# Altium PCB 6502_CPU_MainBoard_PCB_V1_2.PcbDoc (part 1 of 5) (continued)
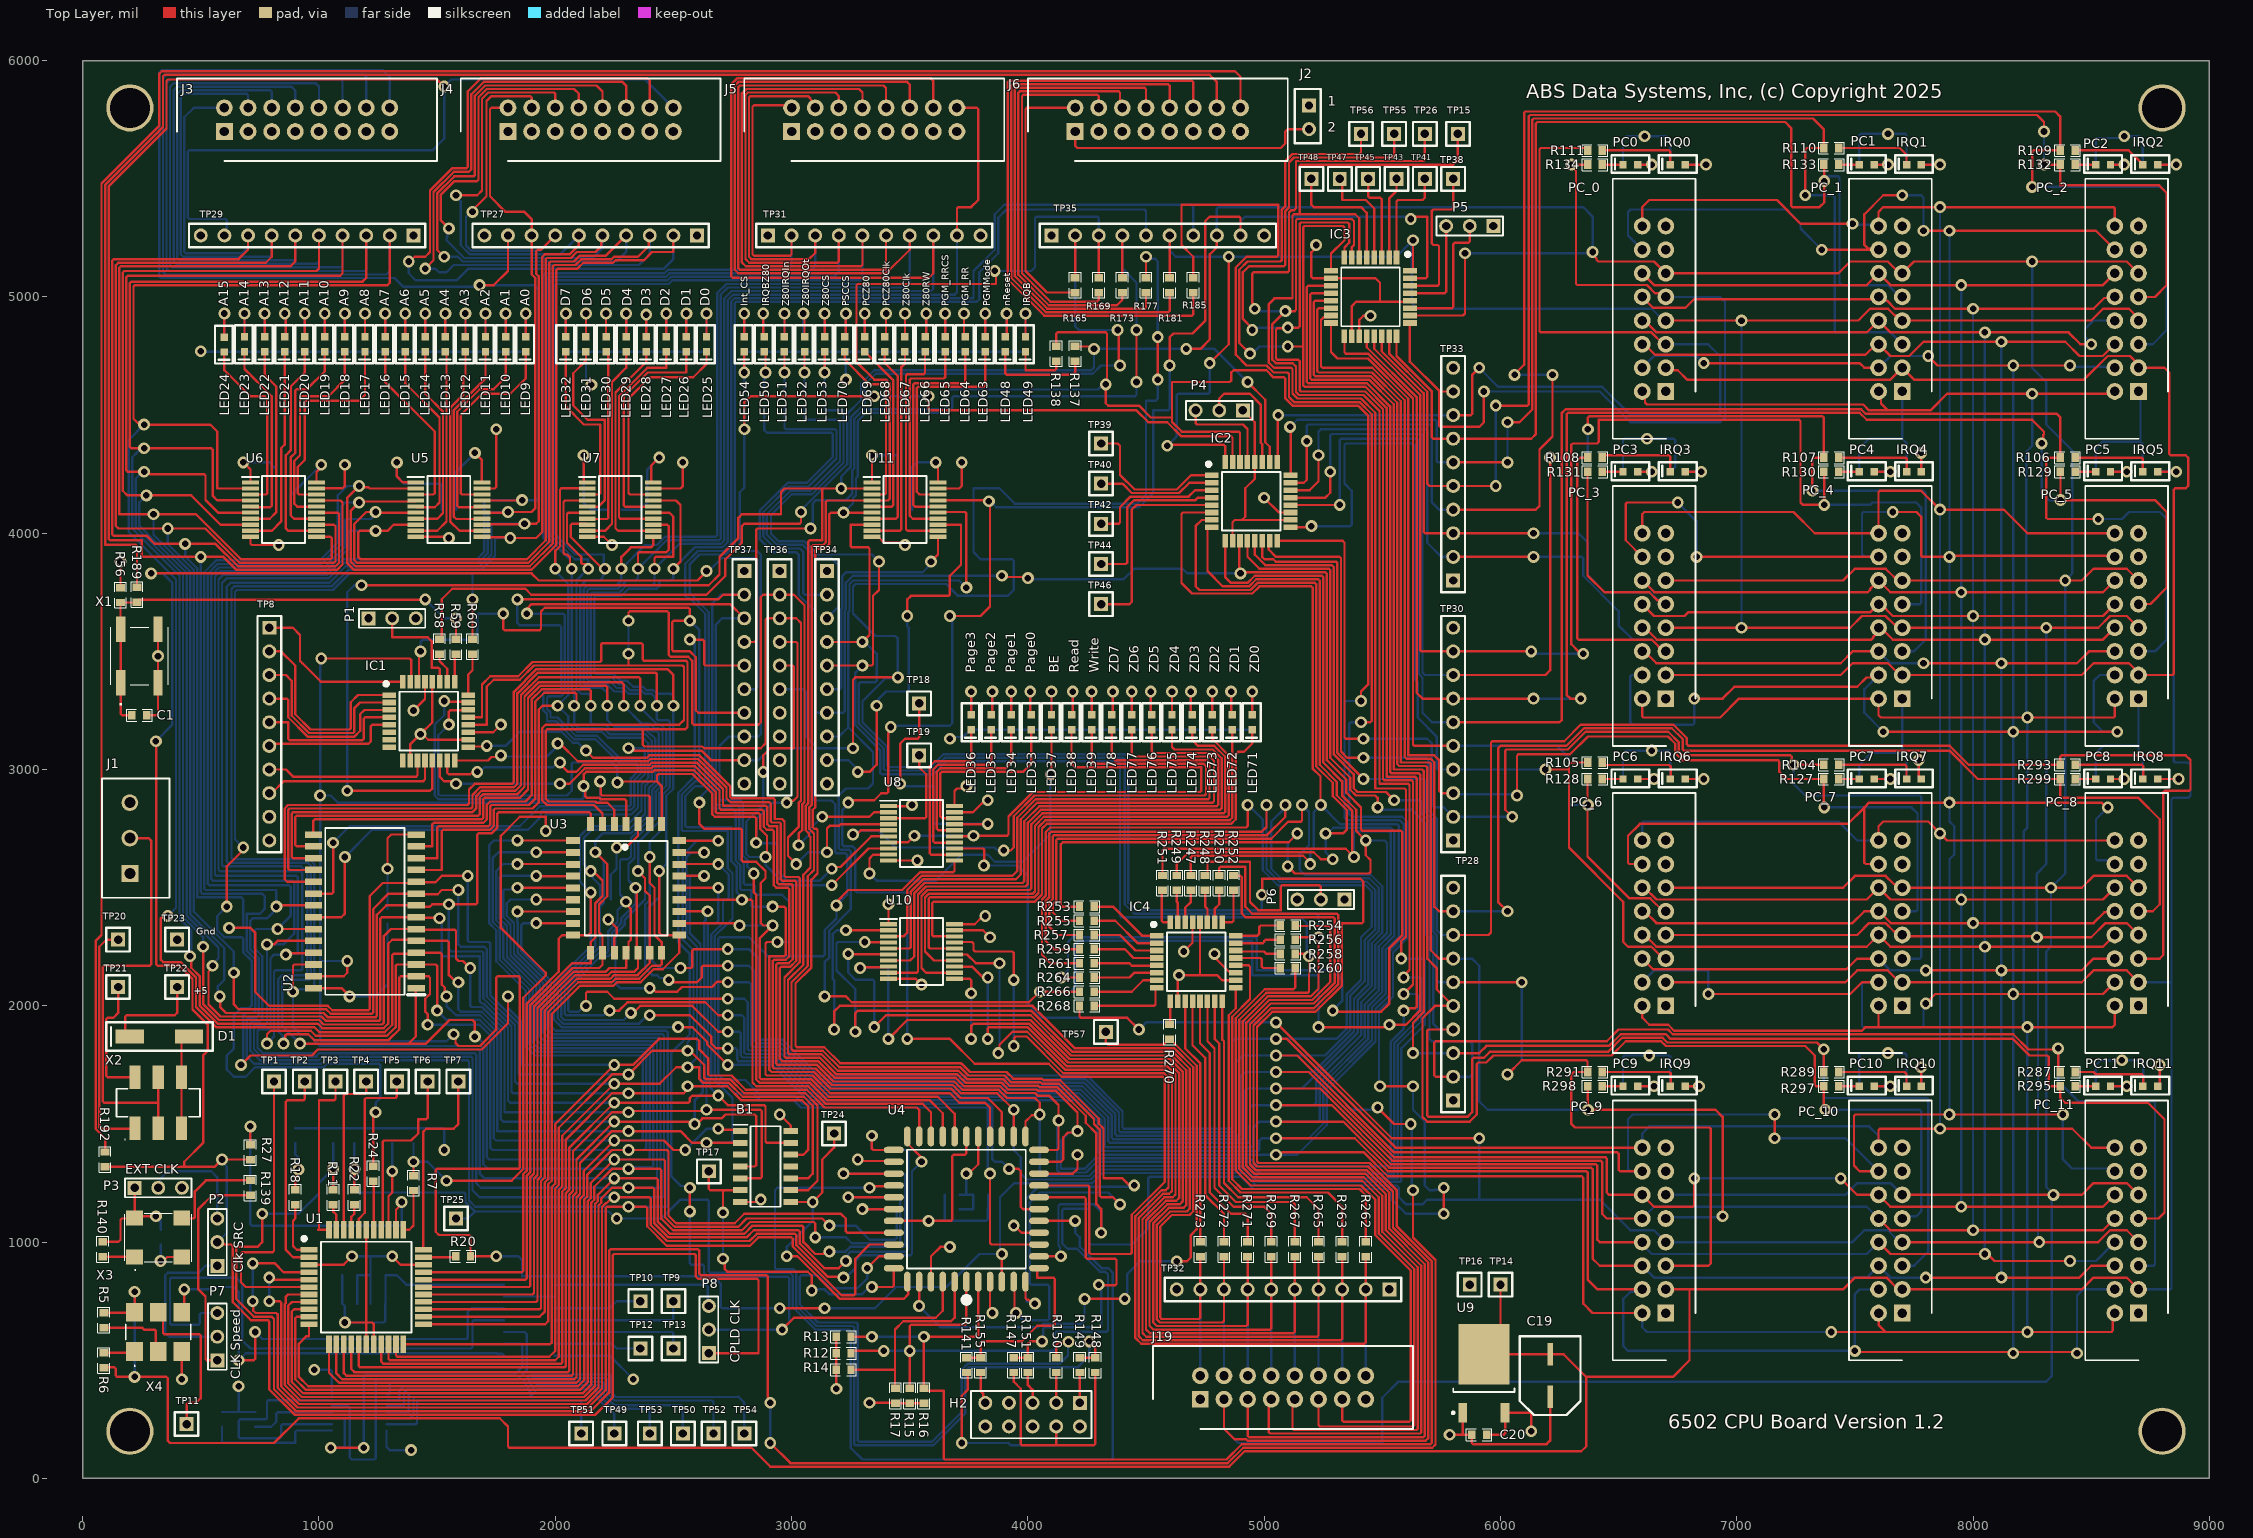
[diagram p0: Top Layer view]
## Design rules (kind name [scope] priority, off if disabled: settings)
Clearance [All] p1: gap=5 ignorepadtopadclearanceinfootprint=FALSE
HoleSize [All] p1: absolutevalues=TRUE maxlimit=200 minlimit=1 maxpercent=80.000 minpercent=20.000
HoleToHoleClearance [All] p1: gap=5 allowstackedmicrovias=TRUE
MinimumSolderMaskSliver [All] p1: minsoldermaskwidth=2
PlaneClearance [All] p1: clearance=20
PlaneConnect [All] p1: planeconnectstyle=Relief reliefexpansion=20 reliefentries=4 reliefconductorwidth=10 reliefairgap=10
PolygonConnect [All] p1: connectstyle=Relief reliefconductorwidth=10 reliefentries=4 polygonreliefangle="90 Angle" airgapwidth=10
RoutingVias [All] p1: holewidth=28 width=50 viastyle="Through Hole" minholewidth=28 minwidth=50 maxholewidth=28 maxwidth=50
SilkToSilkClearance [All] p1: silktosilkclearance=4
SilkToSolderMaskClearance [IsPad] p1: minsilkscreentomaskgap=3.5 clearancetoexposedcopper=TRUE
SolderMaskExpansion [All] p1: expansion=4 istentingtop=FALSE
Width [All] p1: maxlimit=40 minlimit=5 preferedwidth=10 minimp=50.000000 maximp=50.000000 favimp=50.000000
23 further rules are at their usual default settings.

## Classes and differential pairs
component class Z80_Interface: IC4 J19 P6 R247 R248 R249 R250 R251 R252 R253 R254 R255 R256 R257 R258 R259 R260 R261 R262 R263 R264 R265 R266 R267 R268 R269 R270 R271 R272 R273
component class TestPoints: TP27 TP28 TP29 TP30 TP31 TP32 TP33 TP34 TP35 TP36 TP37
component class Programmer_Interface: J2 J3 J4 J5 J6 R165 R169 R173 R177 R181 R185 R189 R192
component class PowerSupply: 40 C2 C3 C4 C5 C6 C7 C8 C9 C10 C11 C12 C13 C14 C15 C16 C17 C18 C19 C20 D1 H2 J1 P2 P3 P7 P8 R5 R6 R8 R9 R10 R139 R140 R141 R147 R148 R149 R150 R151 R155 TP9 TP10 TP11 TP12 TP13 TP14 TP16 TP20 TP21 TP22 TP23 TP49 TP50 TP51 TP52 TP53 TP54 U9 U12 U13 X2 X3 X4
component class Peripherial_Bus: IC2 IC3 P4 P5 PC_0 PC_1 PC_2 PC_3 PC_4 PC_5 PC_6 PC_7 PC_8 PC_9 PC_10 PC_11 TP15 TP26 TP38 TP39 TP40 TP41 TP42 TP43 TP44 TP45 TP46 TP47 TP48 TP55 TP56
component class LED_Monitor: IRQ0 IRQ1 IRQ2 IRQ3 IRQ4 IRQ5 IRQ6 IRQ7 LED9 LED10 LED11 LED12 LED13 LED14 LED15 LED16 LED17 LED18 LED19 LED20 LED21 LED22 LED23 LED24 LED25 LED26 LED27 LED28 LED29 LED30 LED31 LED32 LED33 LED34 LED35 LED36 LED37 LED38 LED39 LED48 LED49 PC0 PC1 PC2 PC3 PC4 PC5 PC6 PC7 R72 R73 R74 R75 R76 R77 R78 R79 R80 R81 R82 R83 R84 R85 R86 R87 R88 R89 R90 R91 R92 R93 R94 R95 R96 R97 R98 R99 R100 R101 R102 R103 R104 R105 R106 R107 R108 R109 R110 R111 R112 R113 R114 R115 R116 R117 R118 R119 R120 R121 R122 R123 R124 R125 R126 R127 R128 R129 R130 R131 R132 R133 R134 R135 R136 R137 R138 TP18 TP19 U5 U6 U7 U8
component class LED_Monitor_2: IRQ8 IRQ9 IRQ10 IRQ11 LED50 LED51 LED52 LED53 LED54 LED63 LED64 LED65 LED66 LED67 LED68 LED69 LED70 LED71 LED72 LED73 LED74 LED75 LED76 LED77 LED78 PC8 PC9 PC10 PC11 R274 R275 R276 R277 R278 R279 R280 R281 R282 R283 R284 R285 R286 R287 R288 R289 R290 R291 R292 R293 R294 R295 R296 R297 R298 R299 R300 R301 R302 R303 R304 R305 R306 R307 R308 R309 R310 R311 R312 R313 R314 R315 U10 U11
component class CPU_Board: B1 C1 IC1 P1 R1 R2 R3 R4 R7 R11 R12 R13 R14 R15 R16 R17 R18 R20 R22 R24 R27 R31 R56 R58 R59 R60 TP1 TP2 TP3 TP4 TP5 TP6 TP7 TP8 TP17 TP24 TP25 TP57 U1 U2 U3 U4 X1

## Components (designator, comment, footprint, x,y, rotation, side; value= is the part's Value field where it differs from the comment)
B1 "CD74HCT20MT" SOIC127P600X175-14N 2890,1320 r0 top locked
C1 "100nf" 0603 240,3230 r180 top locked
C2 "100nf" 0603 1550,4100 r180 bottom
C3 "100nf" 0603 850,4100 r180 bottom
C4 "100nf" 0603 2250,4100 r180 bottom
C5 "100nf" 0603 3480,4100 r180 bottom
C6 "100nf" 0603 1130,860 r180 bottom
C7 "1nf" 0603 1130,800 r180 bottom
C8 "1uf" 0603 1130,740 r180 bottom
C9 "100nf" 0603 1250,860 r0 bottom
C10 "1nf" 0603 1250,800 r0 bottom
C11 "1uf" 0603 1250,740 r0 bottom
C12 "0.22uf" 0603 3800,1200 r180 bottom
C13 "0.22uf" 0603 3800,1140 r180 bottom
C14 "0.22uf" 0603 3680,1200 r0 bottom
C15 "0.22uf" 0603 3680,1140 r0 bottom
C16 "100nf" 0603 1290,2380 r90 bottom locked
C17 "100nf" 0603 2235,2420 r270 bottom locked
C18 "100nf" 0603 330,1020 r270 bottom
C19 "47uF" CapSMD_6.3x5.8 6210,435.5 r270 top locked
C20 "1uf" 0603 5910,185 r180 top locked
D1 "S3AFGHM3" do-221ac 300,1870 r180 top locked
H2 "Header_IDC_2x5" HDR2X5 4220,320 r180 top locked
IC1 "AVR64DD32-I_PT" QFP80P900X900X120-32N 1464.49,3205 r0 top locked
IC2 "AVR64DD32-I_PT" QFP80P900X900X120-32N 4945,4135 r0 top locked
IC3 "AVR64DD32-I_PT" QFP80P900X900X120-32N 5450,5000 r270 top locked
IC4 "AVR64DD32-I_PT" QFP80P900X900X120-32N 4712.76,2186.85 r0 top locked
IRQ0 "red" 0603_Diode 6750,5560 r0 top locked
IRQ1 "red" 0603_Diode 7750,5560 r0 top locked
IRQ2 "red" 0603_Diode 8750,5560 r0 top locked
IRQ3 "red" 0603_Diode 6750,4260 r0 top locked
IRQ4 "red" 0603_Diode 7750,4260 r0 top locked
IRQ5 "red" 0603_Diode 8750,4260 r0 top locked
IRQ6 "red" 0603_Diode 6750,2960 r0 top locked
IRQ7 "red" 0603_Diode 7750,2960 r0 top locked
IRQ8 "red" 0603_Diode 8750,2960 r0 top locked
IRQ9 "red" 0603_Diode 6750,1660 r0 top locked
IRQ10 "red" 0603_Diode 7750,1660 r0 top locked
IRQ11 "red" 0603_Diode 8750,1660 r0 top locked
J1 "1803439" 1803439 200,2560 r90 top locked
J2 "Jumper" Jumper 5190,5810 r180 top locked
J3 "70246-1604" SHDR16W99P254_2X8_2794X889X927P 600,5700 r0 top locked
J4 "70246-1604" SHDR16W99P254_2X8_2794X889X927P 1800,5700 r0 top locked
J5 "70246-1604" SHDR16W99P254_2X8_2794X889X927P 3000,5700 r0 top locked
J6 "70246-1604" SHDR16W99P254_2X8_2794X889X927P 4200,5700 r0 top locked
J19 "70246-1604" SHDR16W99P254_2X8_2794X889X927P 4730,335 r0 top locked
LED9 "green" 0603_Diode 1875,4800 r90 top
LED10 "green" 0603_Diode 1790,4800 r90 top
LED11 "green" 0603_Diode 1705,4800 r90 top
LED12 "green" 0603_Diode 1620,4800 r90 top
LED13 "green" 0603_Diode 1535,4800 r90 top
LED14 "green" 0603_Diode 1450,4800 r90 top
LED15 "green" 0603_Diode 1365,4800 r90 top
LED16 "green" 0603_Diode 1280,4800 r90 top
LED17 "green" 0603_Diode 1195,4800 r90 top
LED18 "green" 0603_Diode 1110,4800 r90 top
LED19 "green" 0603_Diode 1025,4800 r90 top
LED20 "green" 0603_Diode 940,4800 r90 top
LED21 "green" 0603_Diode 855,4800 r90 top
LED22 "green" 0603_Diode 770,4800 r90 top
LED23 "green" 0603_Diode 685,4800 r90 top
LED24 "green" 0603_Diode 600,4798.5 r90 top
LED25 "blue" 0603_Diode 2640,4800 r90 top locked
LED26 "blue" 0603_Diode 2555,4800 r90 top locked
LED27 "blue" 0603_Diode 2470,4800 r90 top locked
LED28 "blue" 0603_Diode 2385,4800 r90 top locked
LED29 "blue" 0603_Diode 2300,4800 r90 top locked
LED30 "blue" 0603_Diode 2215,4800 r90 top locked
LED31 "blue" 0603_Diode 2130,4800 r90 top locked
LED32 "blue" 0603_Diode 2045,4800 r90 top locked
LED33 "amber" 0603_Diode 4015,3200 r90 top locked
LED34 "amber" 0603_Diode 3930,3200 r90 top locked
LED35 "amber" 0603_Diode 3845,3200 r90 top locked
LED36 "amber" 0603_Diode 3760,3200 r90 top locked
LED37 "amber" 0603_Diode 4100,3200 r90 top locked
LED38 "amber" 0603_Diode 4185,3200 r90 top locked
LED39 "amber" 0603_Diode 4270,3200 r90 top locked
LED48 "amber" 0603_Diode 3905,4800 r90 top locked
LED49 "red" 0603_Diode 3990,4800 r90 top locked
LED50 "red" 0603_Diode 2885,4800 r90 top locked
LED51 "red" 0603_Diode 2970,4800 r90 top locked
LED52 "red" 0603_Diode 3055,4800 r90 top locked
LED53 "red" 0603_Diode 3140,4800 r90 top locked
LED54 "amber" 0603_Diode 2800,4800 r90 top locked
LED63 "amber" 0603_Diode 3820,4800 r90 top locked
LED64 "amber" 0603_Diode 3735,4800 r90 top locked
LED65 "amber" 0603_Diode 3650,4800 r90 top locked
LED66 "amber" 0603_Diode 3565,4800 r90 top locked
LED67 "amber" 0603_Diode 3480,4800 r90 top locked
LED68 "amber" 0603_Diode 3395,4800 r90 top locked
LED69 "amber" 0603_Diode 3310,4800 r90 top locked
LED70 "amber" 0603_Diode 3225,4800 r90 top locked
LED71 "blue" 0603_Diode 4950,3200 r90 top locked
LED72 "blue" 0603_Diode 4865,3200 r90 top locked
LED73 "blue" 0603_Diode 4780,3200 r90 top locked
LED74 "blue" 0603_Diode 4695,3200 r90 top locked
LED75 "blue" 0603_Diode 4610,3200 r90 top locked
LED76 "blue" 0603_Diode 4525,3200 r90 top locked
LED77 "blue" 0603_Diode 4440,3200 r90 top locked
LED78 "blue" 0603_Diode 4355,3200 r90 top locked
P1 "MHDR1X3_100" MHDR1X3_100 1210,3640 r0 top locked
P2 "MHDR1X3_100" MHDR1X3_100 570,900 r90 top
P3 "MHDR1X3_100" MHDR1X3_100 220,1230 r0 top
P4 "MHDR1X3_100" MHDR1X3_100 4910,4520 r180 top locked
P5 "MHDR1X3_100" MHDR1X3_100 5970,5300 r180 top locked
P6 "MHDR1X3_100" MHDR1X3_100 5340,2450 r180 top locked
P7 "MHDR1X3_100" MHDR1X3_100 570,500 r90 top
P8 "MHDR1X3_100" MHDR1X3_100 2650,530 r90 top
PC0 "amber" 0603_Diode 6550,5560 r0 top locked
PC1 "amber" 0603_Diode 7550,5560 r0 top locked
PC2 "amber" 0603_Diode 8550,5560 r0 top locked
PC3 "amber" 0603_Diode 6550,4260 r0 top locked
PC4 "amber" 0603_Diode 7550,4260 r0 top locked
PC5 "amber" 0603_Diode 8550,4260 r0 top locked
PC6 "amber" 0603_Diode 6550,2960 r0 top locked
PC7 "amber" 0603_Diode 7550,2960 r0 top locked
PC8 "amber" 0603_Diode 8550,2960 r0 top locked
PC9 "amber" 0603_Diode 6550,1660 r0 top locked
PC10 "amber" 0603_Diode 7550,1660 r0 top locked
PC11 "amber" 0603_Diode 8550,1660 r0 top locked
PC_0 "70246-1604" SHDR16W99P254_2X8_2794X889X927P 6700,4600 r90 top locked
PC_1 "70246-1604" SHDR16W99P254_2X8_2794X889X927P 7700,4600 r90 top locked
PC_2 "70246-1604" SHDR16W99P254_2X8_2794X889X927P 8700,4600 r90 top locked
PC_3 "70246-1604" SHDR16W99P254_2X8_2794X889X927P 6700,3300 r90 top locked
PC_4 "70246-1604" SHDR16W99P254_2X8_2794X889X927P 7700,3300 r90 top locked
PC_5 "70246-1604" SHDR16W99P254_2X8_2794X889X927P 8700,3300 r90 top locked
PC_6 "70246-1604" SHDR16W99P254_2X8_2794X889X927P 6700,2000 r90 top locked
PC_7 "70246-1604" SHDR16W99P254_2X8_2794X889X927P 7700,2000 r90 top locked
PC_8 "70246-1604" SHDR16W99P254_2X8_2794X889X927P 8700,2000 r90 top locked
PC_9 "70246-1604" SHDR16W99P254_2X8_2794X889X927P 6700,700 r90 top locked
PC_10 "70246-1604" SHDR16W99P254_2X8_2794X889X927P 7700,700 r90 top locked
PC_11 "70246-1604" SHDR16W99P254_2X8_2794X889X927P 8700,700 r90 top locked
R1 "1k" 0603 1150,1450 r90 bottom
R2 "1k" 0603 900,1450 r90 bottom
R3 "1k" 0603 1060,1450 r90 bottom
R4 "1k" 0603 1400,1450 r90 bottom
R5 "10k" 0603 90,670 r90 top locked
R6 "10k" 0603 90,500 r270 top
R7 "0R" 0603 1400,1250 r270 top
R8 "10k" 0603 590,250 r90 bottom
R9 "10k" 0603 730,250 r90 bottom
R10 "10k" 0603 660,250 r90 bottom
R11 "0R" 0603 1060,1190 r270 top
R12 "10k" 0603 3220,530 r0 top
R13 "10k" 0603 3220,600 r0 top
R14 "10k" 0603 3220,460 r0 top
R15 "10k" 0603 3500,350 r270 top
R16 "10k" 0603 3560,350 r270 top
R17 "10k" 0603 3440,350 r270 top
R18 "0R" 0603 900,1190 r270 top
R20 "0R" 0603 1610,940 r180 top locked
R22 "0R" 0603 1150,1190 r270 top
R24 "0R" 0603 1230,1290 r270 top
R27 "0R" 0603 710,1380 r90 top
R31 "1k" 0603 1310,1450 r90 bottom
R56 "1k" 0603 160,3738.5 r270 top locked
R58 "0R" 0603 1510,3520 r90 top
R59 "0R" 0603 1580,3520 r90 top
R60 "0R" 0603 1650,3520 r90 top
R72 "1k" 0603 7750,2960 r0 bottom locked
R73 "1k" 0603 6750,2960 r0 bottom locked
R74 "1k" 0603 8750,4260 r0 bottom locked
R75 "1k" 0603 7750,4260 r0 bottom locked
R76 "1k" 0603 6750,4260 r0 bottom locked
R77 "1k" 0603 8750,5560 r0 bottom locked
R78 "1k" 0603 7750,5560 r0 bottom locked
R79 "1k" 0603 6750,5560 r0 bottom locked
R80 "4.7k" 0603 1875,4800 r270 bottom locked
R81 "4.7k" 0603 1790,4800 r270 bottom locked
R82 "4.7k" 0603 1705,4800 r270 bottom locked
R83 "4.7k" 0603 1620,4800 r270 bottom locked
R84 "4.7k" 0603 1535,4800 r270 bottom locked
R85 "4.7k" 0603 1450,4800 r270 bottom locked
R86 "4.7k" 0603 1365,4800 r270 bottom locked
R87 "4.7k" 0603 1280,4800 r270 bottom locked
R88 "4.7k" 0603 1195,4800 r270 bottom locked
R89 "4.7k" 0603 1110,4800 r270 bottom locked
R90 "4.7k" 0603 1025,4800 r270 bottom locked
R91 "4.7k" 0603 940,4800 r270 bottom locked
R92 "4.7k" 0603 855,4800 r270 bottom locked
R93 "4.7k" 0603 770,4800 r270 bottom locked
R94 "4.7k" 0603 685,4800 r270 bottom locked
R95 "4.7k" 0603 600,4800 r270 bottom locked
R96 "4.7k" 0603 2640,4800 r90 bottom locked
R97 "4.7k" 0603 2555,4800 r90 bottom locked
R98 "4.7k" 0603 2470,4800 r90 bottom locked
R99 "4.7k" 0603 2385,4800 r90 bottom locked
R100 "4.7k" 0603 2300,4800 r90 bottom locked
R101 "4.7k" 0603 2215,4800 r90 bottom locked
R102 "4.7k" 0603 2130,4800 r90 bottom locked
R103 "4.7k" 0603 2045,4800 r90 bottom locked
R104 "0R" 0603 7400,3020 r0 top
R105 "0R" 0603 6400,3030 r0 top
R106 "0R" 0603 8400,4320 r0 top
R107 "0R" 0603 7400,4320 r0 top
R108 "0R" 0603 6400,4320 r0 top
R109 "0R" 0603 8400,5620 r0 top
R110 "0R" 0603 7400,5630 r0 top
R111 "0R" 0603 6400,5620 r0 top
R112 "1k" 0603 4015,3200 r90 bottom locked
R113 "1k" 0603 3930,3200 r90 bottom locked
R114 "1k" 0603 3845,3200 r90 bottom locked
R115 "1k" 0603 3760,3200 r90 bottom locked
R116 "1k" 0603 4100,3200 r90 bottom locked
R117 "1k" 0603 4185,3200 r90 bottom locked
R118 "1k" 0603 4270,3200 r90 bottom locked
R119 "1k" 0603 7550,2960 r0 bottom locked
R120 "1k" 0603 6550,2960 r0 bottom locked
R121 "1k" 0603 8550,4260 r0 bottom locked
R122 "1k" 0603 7550,4260 r0 bottom locked
R123 "1k" 0603 6550,4260 r0 bottom locked
R124 "1k" 0603 8550,5560 r0 bottom locked
R125 "1k" 0603 7550,5560 r0 bottom locked
R126 "1k" 0603 6550,5560 r0 bottom locked
R127 "0R" 0603 7400,2960 r0 top
R128 "0R" 0603 6400,2960 r0 top
R129 "0R" 0603 8400,4260 r0 top
R130 "0R" 0603 7400,4260 r0 top
R131 "0R" 0603 6400,4260 r0 top
R132 "0R" 0603 8400,5560 r0 top
R133 "0R" 0603 7400,5560 r0 top
R134 "0R" 0603 6400,5560 r0 top
R135 "1k" 0603 3905,4800 r90 bottom locked
R136 "1k" 0603 3990,4800 r90 bottom locked
R137 "0R" 0603 4200,4760 r270 top
R138 "0R" 0603 4120,4760 r270 top
R139 "0R" 0603 710,1230 r270 top
R140 "0R" 0603 85,970 r270 top
R141 "1k" 0603 3740,480 r90 top
R147 "1k" 0603 3940,480 r90 top
R148 "1k" 0603 4285,480 r90 top
R149 "0R" 0603 4220,480 r270 top
R150 "0R" 0603 4120,480 r270 top
R151 "0R" 0603 4000,480 r270 top
R155 "0R" 0603 3800,480 r270 top
R165 "0R" 0603 4200,5050 r270 top
R169 "0R" 0603 4300,5050 r270 top
R173 "0R" 0603 4400,5050 r270 top
R177 "0R" 0603 4500,5050 r270 top
R181 "0R" 0603 4600,5050 r270 top
R185 "0R" 0603 4700,5050 r270 top
R189 "0R" 0603 230,3740 r90 top locked
R192 "0R" 0603 95,1350 r90 top
R247 "0R" 0603 4690,2520 r270 top
R248 "0R" 0603 4750,2520 r90 top
R249 "0R" 0603 4630,2520 r270 top
R250 "0R" 0603 4810,2520 r90 top
R251 "0R" 0603 4570,2520 r270 top
R252 "0R" 0603 4870,2520 r90 top
R253 "0R" 0603 4250,2420 r0 top
R254 "0R" 0603 5100,2340 r0 top
R255 "0R" 0603 4250,2360 r0 top
R256 "0R" 0603 5100,2280 r0 top
R257 "0R" 0603 4250,2300 r0 top
R258 "0R" 0603 5100,2220 r0 top
R259 "0R" 0603 4250,2240 r0 top
R260 "0R" 0603 5100,2160 r0 top
R261 "0R" 0603 4250,2180 r0 top
R262 "0R" 0603 5430,970 r270 top
R263 "0R" 0603 5330,970 r270 top
R264 "0R" 0603 4250,2120 r0 top
R265 "0R" 0603 5230,970 r270 top
R266 "0R" 0603 4250,2060 r0 top
R267 "0R" 0603 5130,970 r270 top
R268 "0R" 0603 4250,2000 r0 top
R269 "0R" 0603 5030,970 r270 top
R270 "0R" 0603 4600,1890 r90 top
R271 "0R" 0603 4930,970 r270 top
R272 "0R" 0603 4830,970 r270 top
R273 "0R" 0603 4730,970 r270 top
R274 "1k" 0603 2885,4800 r90 bottom
R275 "1k" 0603 2970,4800 r90 bottom
R276 "1k" 0603 3055,4800 r90 bottom
R277 "1k" 0603 3140,4800 r90 bottom
R278 "1k" 0603 2800,4800 r90 bottom
R279 "1k" 0603 8750,1660 r0 bottom locked
R280 "1k" 0603 7750,1660 r0 bottom locked
R281 "1k" 0603 6750,1660 r0 bottom locked
R282 "1k" 0603 8750,2960 r0 bottom locked
R283 "1k" 0603 8550,1660 r0 bottom locked
R284 "1k" 0603 7550,1660 r0 bottom locked
R285 "1k" 0603 6550,1660 r0 bottom locked
R286 "1k" 0603 8550,2960 r0 bottom locked
R287 "0R" 0603 8400,1720 r0 top
R288 "0R" 0603 2885,4560 r90 bottom
R289 "0R" 0603 7400,1720 r0 top
R290 "0R" 0603 2970,4560 r90 bottom
R291 "0R" 0603 6400,1720 r0 top
R292 "0R" 0603 3055,4560 r90 bottom
R293 "0R" 0603 8400,3020 r0 top
R294 "0R" 0603 3140,4560 r90 bottom
R295 "0R" 0603 8400,1660 r0 top
R296 "0R" 0603 2800,4560 r90 bottom
R297 "0R" 0603 7400,1660 r0 top
R298 "0R" 0603 6400,1660 r0 top
R299 "0R" 0603 8400,2960 r0 top
R300 "1k" 0603 3820,4800 r90 bottom locked
R301 "1k" 0603 3735,4800 r90 bottom locked
R302 "1k" 0603 3650,4800 r90 bottom locked
R303 "1k" 0603 3565,4800 r90 bottom locked
R304 "1k" 0603 3480,4800 r90 bottom locked
R305 "1k" 0603 3395,4800 r90 bottom locked
R306 "1k" 0603 3310,4800 r90 bottom locked
R307 "1k" 0603 3225,4800 r90 bottom locked
R308 "4.7k" 0603 4950,3200 r90 bottom locked
R309 "4.7k" 0603 4865,3200 r90 bottom locked
R310 "4.7k" 0603 4780,3200 r90 bottom locked
R311 "4.7k" 0603 4695,3200 r90 bottom locked
R312 "4.7k" 0603 4610,3200 r90 bottom locked
R313 "4.7k" 0603 4525,3200 r90 bottom locked
R314 "4.7k" 0603 4440,3200 r90 bottom locked
R315 "4.7k" 0603 4355,3200 r90 bottom locked
TP1 "TP" TP 810,1680 r0 top
TP2 "TP" TP 940,1680 r0 top
TP3 "TP" TP 1070,1680 r0 top
TP4 "TP" TP 1200,1680 r0 top
TP5 "TP" TP 1330,1680 r0 top
TP6 "TP" TP 1460,1680 r0 top
TP7 "TP" TP 1590,1680 r0 top
TP8 "TP_1X10" TP_1X10 790,3600 r270 top locked
TP9 "" TP 2500,750 r0 top
TP10 "TP" TP 2360,750 r0 top
TP11 "TP" TP 440,230 r0 top
TP12 "" TP 2360,550 r0 top
TP13 "TP" TP 2500,550 r0 top
TP14 "TP" TP 6000,820 r0 top
TP15 "TP" TP 5820,5690 r0 top
TP16 "TP" TP 5870,820 r0 top
TP17 "TP" TP 2650,1300 r0 top
TP18 "TP" TP 3540,3280 r0 top
TP19 "TP" TP 3540,3060 r0 top
TP20 "" TP 150,2280 r0 top
TP21 "" TP 150,2080 r0 top
TP22 "TP" TP 400,2080 r0 top
TP23 "TP" TP 400,2280 r0 top
TP24 "TP" TP 3180,1460 r0 top
TP25 "TP" TP 1580,1100 r0 top
TP26 "TP" TP 5680,5690 r0 top
TP27 "TP_1X10" TP_1X10 2600,5260 r180 top locked
TP28 "TP_1X10" TP_1X10 5800,1600 r90 top locked
TP29 "TP_1X10" TP_1X10 1400,5260 r180 top locked
TP30 "TP_1X10" TP_1X10 5800,2700 r90 top locked
TP31 "TP_1X10" TP_1X10 2900,5260 r0 top locked
TP32 "TP_1X10" TP_1X10 5530,800 r180 top locked
TP33 "TP_1X10" TP_1X10 5800,3800 r90 top locked
TP34 "TP_1X10" TP_1X10 3150,3840 r270 top locked
TP35 "TP_1X10" TP_1X10 4100,5260 r0 top locked
TP36 "TP_1X10" TP_1X10 2950,3840 r270 top
TP37 "TP_1X10" TP_1X10 2800,3840 r270 top
TP38 "TP" TP 5800,5500 r0 top
TP39 "TP" TP 4310,4380 r270 top
TP40 "TP" TP 4310,4210 r270 top
TP41 "TP" TP 5680,5500 r0 top
TP42 "TP" TP 4310,4040 r270 top
TP43 "TP" TP 5560,5500 r0 top
TP44 "TP" TP 4310,3870 r270 top
TP45 "TP" TP 5440,5500 r0 top
TP46 "TP" TP 4310,3700 r270 top
TP47 "TP" TP 5320,5500 r0 top
TP48 "TP" TP 5200,5500 r0 top
TP49 "TP" TP 2250,190 r0 top
TP50 "TP" TP 2540,190 r0 top
TP51 "TP" TP 2110,190 r0 top
TP52 "TP" TP 2670,190 r0 top
TP53 "TP" TP 2400,190 r0 top
TP54 "TP" TP 2800,190 r0 top
TP55 "TP" TP 5550,5690 r0 top
TP56 "TP" TP 5410,5690 r0 top
TP57 "TP" TP 4330,1890 r0 top
U1 "W65C02S6TQG-14" QFP-44 1200,810 r0 top locked
U2 "CY62256NLL-55SNXI" SOP-28 1194.19,2400 r180 top locked
U3 "SST39SF040-55-4C-NHE-T" PLCC-32 2300,2500 r0 top locked
U4 "ATF1502AS-10JU44" PLCC-44N 3740,1140 r180 top locked
U5 "SN74ABT240ADBR" SOP65P780X200-20N 1550,4100 r0 top
U6 "SN74ABT240ADBR" SOP65P780X200-20N 850,4100 r0 top locked
U7 "SN74ABT240ADBR" SOP65P780X200-20N 2275,4100 r0 top locked
U8 "SN74ABT240ADBR" SOP65P780X200-20N 3550,2730 r0 top locked
U9 "LD1117DT33CTR" TO-252_N 5930,445 r90 top
U10 "SN74ABT240ADBR" SOP65P780X200-20N 3550,2230 r0 top locked
U11 "SN74ABT240ADBR" SOP65P780X200-20N 3480,4100 r0 top locked
U12 "74HCT14D_BJ" SOIC127P600X175-14N 1890,670 r0 bottom locked
U13 "MC74AC74DTR2G" SOP65P640X120-14N 1170,280 r0 bottom locked
X1 "SKRAAME010" SKRAAME010 240,3480 r90 top locked
X2 "JS202011SCQN" JS202011SCQN 320,1590 r0 top locked
X3 "LFSPXO025876Reel" LFSPXO025876Reel 320,1020 r0 top
X4 "XLH736056000000X" XLH736056000000X 320,620 r0 top locked

## Footprints (in the part's own frame and the unit in brackets; to place one, negate y for a bottom-side part, rotate by r counter-clockwise, add the part's x,y. Pads: shape width x height; smd on the part's side, far side on the other; paste and mask are expansions set on the pad)
0603 [mm]
  rect 0.8x0.95 smd: 1(-0.8,0) 2(0.8,0)
  silkscreen extent -1.37,-0.64 1.37,0.64, body extent -0.8,-0.4 0.8,0.4, height 0.55
0603_Diode [mm]
  rect 0.8x0.8 smd: 1(-0.8,0) 2(0.8,0)
  silkscreen extent -2.03,-0.89 2.03,1.02
1803439 [mm]
  rect 1.8x1.8 hole 1.2: 1(0,0)
  round 1.8 hole 1.2: 2(3.81,0) 3(7.62,0)
  silkscreen extent -2.6,-4.25 10.22,3, body extent -2.6,-4.45 10.22,3.05, height 9.33
CapSMD_6.3x5.8 [mm]
  rect 2.4x0.6 smd: 1(-2.273,0) 2(2.273,0)
  silkscreen extent -4.22,-3.28 4.24,3.28
do-221ac [mil]
  rect 120x60 smd: 1(100,0) 2(-150,0)
  silkscreen extent -250,-60 200,60, body extent -132,-51 72,51, height 43
HDR2X5 [mm] "Connector; Header; 5x2 Position"
  rect 1.5x1.5 hole 0.9: 1(0,0)
  round 1.5 hole 0.9: 2(0,2.54) 3(2.54,0) 4(2.54,2.54) 5(5.08,0) 6(5.08,2.54) 7(7.62,0) 8(7.62,2.54) 9(10.16,0) 10(10.16,2.54)
  silkscreen extent -1.27,-1.27 11.68,3.81
JS202011SCQN [mm]
  rect 1.2x2.5 smd: 1(-2.5,-2.75) 2(0,-2.75) 3(2.5,-2.75) 4(2.5,2.75) 5(0,2.75) 6(-2.5,2.75)
  silkscreen extent -4.5,-4 4.5,1.5, body extent -4.5,-3.5 4.5,3.5, height 5.65
Jumper [mm] "Connector; Header; 8x2 Position"
  rect 1.5x1.5 hole 0.9: 1(0,0)
  round 1.5 hole 0.9: 2(0,2.54)
  silkscreen extent -1.27,-1.78 1.52,4.06
LFSPXO025876Reel [mm]
  rect 1.8x1.6 smd: 1(-2.54,-2.1) 2(2.54,-2.1) 3(2.54,2.1) 4(-2.54,2.1)
  silkscreen extent -3.6,-3.55 3.6,2.6, body extent -3.6,-2.74 3.6,2.74, height 1.5
MHDR1X3_100 [mm] "Connector; Header; 3 Position"
  rect 1.5x1.5 hole 0.9: 1(0,0)
  round 1.5 hole 0.9: 2(2.54,0) 3(5.08,0)
  silkscreen extent -1.02,-1.02 6.1,1.02
PLCC-32 [mil]
  rect 30x58.07 smd: 1(0,270) 2(-50,270) 3(-100,270) 4(-150,270) 14(-150,-275) 15(-100,-275) 16(-50,-275) 17(0,-275) 18(50,-275) 19(100,-275) 20(150,-275) 30(150,270) 31(100,270) 32(50,270)
  rect 58.07x30 smd: 5(-225,199) 6(-225,149) 7(-225,99) 8(-225,49) 9(-225,-1) 10(-225,-51) 11(-225,-101) 12(-225,-151) 13(-225,-201) 21(225,-201) 22(225,-151) 23(225,-101) 24(225,-51) 25(225,-1) 26(225,49) 27(225,99) 28(225,149) 29(225,199)
  silkscreen extent -175,-203 175,197, body extent -245,-296 245,294, height 140
PLCC-44N [mm]
  oval 0.7x2.144 smd: 1(0,7.803) 2(-1.27,7.803) 3(-2.54,7.803) 4(-3.81,7.803) 5(-5.08,7.803) 6(-6.35,7.803) 18(-6.35,-7.803) 19(-5.08,-7.803) 20(-3.81,-7.803) 21(-2.54,-7.803) 22(-1.27,-7.803) 23(0,-7.803) 24(1.27,-7.803) 25(2.54,-7.803) 26(3.81,-7.803) 27(5.08,-7.803) 28(6.35,-7.803) 40(6.35,7.803) 41(5.08,7.803) 42(3.81,7.803) 43(2.54,7.803) 44(1.27,7.803)
  oval 2.144x0.7 smd: 7(-7.803,6.35) 8(-7.803,5.08) 9(-7.803,3.81) 10(-7.803,2.54) 11(-7.803,1.27) 12(-7.803,0) 13(-7.803,-1.27) 14(-7.803,-2.54) 15(-7.803,-3.81) 16(-7.803,-5.08) 17(-7.803,-6.35) 29(7.803,-6.35) 30(7.803,-5.08) 31(7.803,-3.81) 32(7.803,-2.54) 33(7.803,-1.27) 34(7.803,0) 35(7.803,1.27) 36(7.803,2.54) 37(7.803,3.81) 38(7.803,5.08) 39(7.803,6.35)
  silkscreen extent -6.38,-6.38 6.38,10.08
QFP80P900X900X120-32N [mm]
  rect 1.475x0.6 smd: 1(-4.238,2.8) 2(-4.238,2) 3(-4.238,1.2) 4(-4.238,0.4) 5(-4.238,-0.4) 6(-4.238,-1.2) 7(-4.238,-2) 8(-4.238,-2.8) 17(4.238,-2.8) 18(4.238,-2) 19(4.238,-1.2) 20(4.238,-0.4) 21(4.238,0.4) 22(4.238,1.2) 23(4.238,2) 24(4.238,2.8)